# Altium PCB LimeSDR-QPCIe_1v2.PcbDoc (part 9 of 21) (continued)
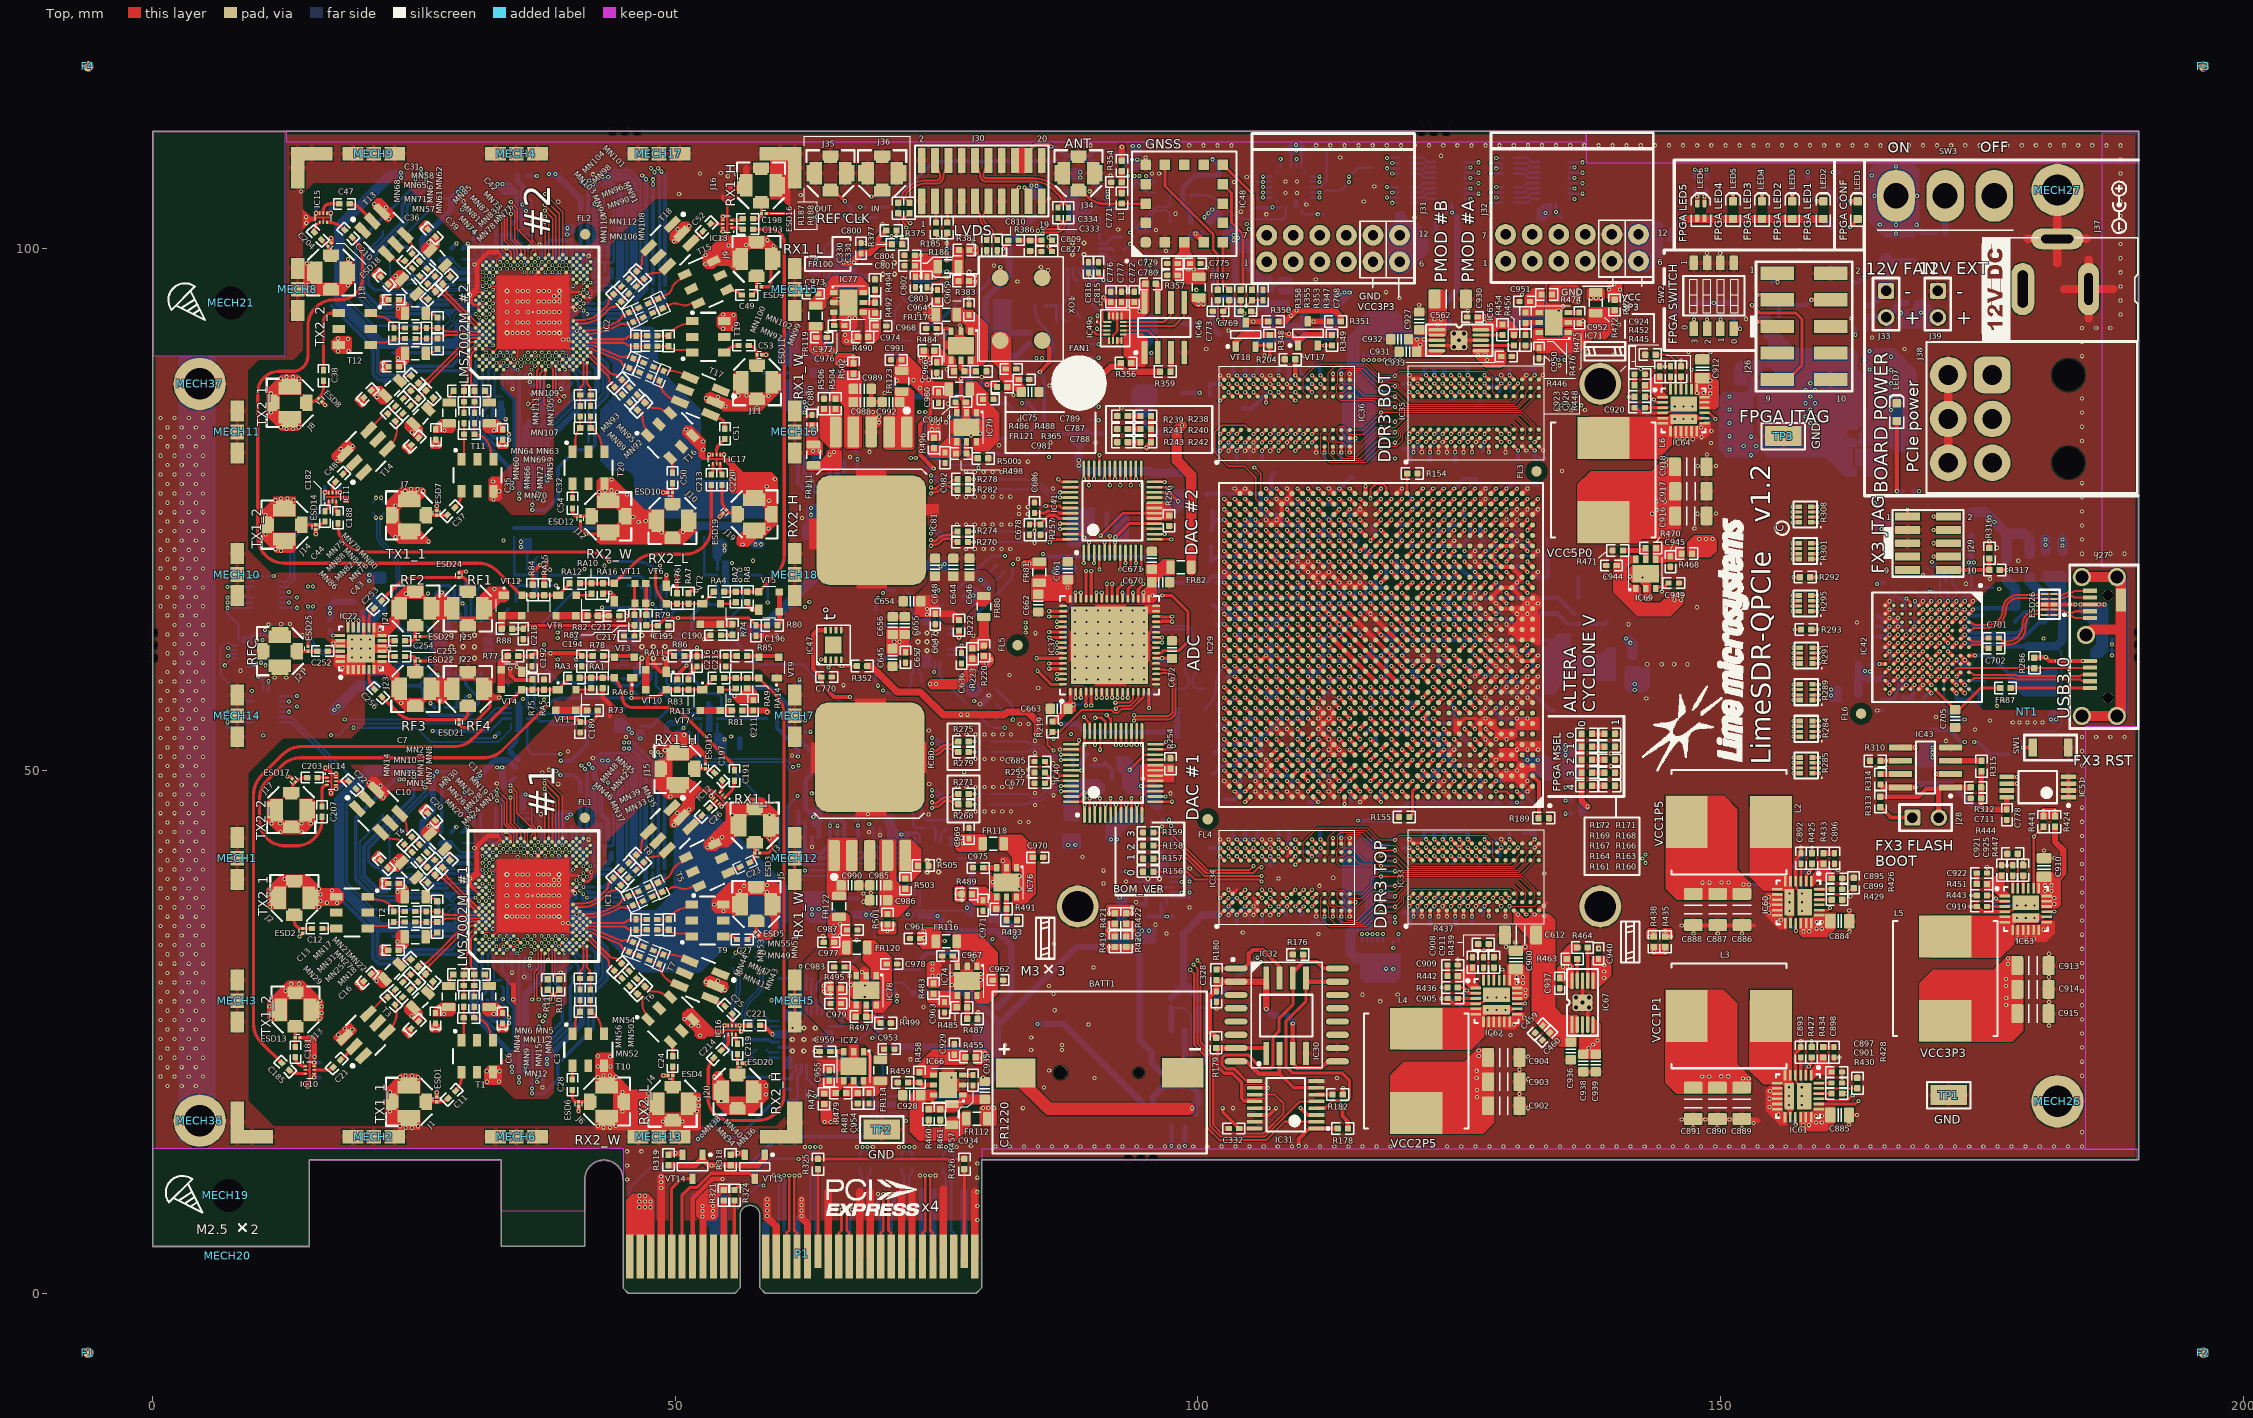
[diagram p0: Top view]
## Nets (pads, with @x,y where several pads share a name; then routed paths per layer and width w, separated by ;. In a path a pad name is that pad's centre, name@x,y a point inside that pad or via, vN(x,y) a via of type N, cw(c..) or ccw(c..) an arc to the next point about the centre after c; other vN are vias at no path point) (continued)
FPGA_AS_DCLK: IC29.T7 IC31.10 | length 63.8
  Top w0.35: IC31.10@105.45,19.65 v1(106.725,19.65)
  Top w0.4: v2(125.525,63) IC29.T7@126.025,62.5
  L10 w0.1: v1(106.725,19.65) 112.955,25.88 112.955,29.155 118.925,35.125 126.325,35.125 128.55,37.35 130.361,37.35 131.275,38.264 131.275,43.999 131.55,44.274 131.55,47.067 130.975,47.642 130.975,53.925 129.975,54.925 129.975,56.055 125.175,60.855 125.175,62.225 125.525,62.575 v2(125.525,63)
FPGA_AS_NCSO: IC29.AA7 IC31.13 | length 71.3
  Top w0.35: IC31.13@105.45,17.7 v1(106.775,17.7)
  Top w0.4: IC29.AA7@126.025,67.5 v2(126.525,68)
  L10 w0.1: v1(106.775,17.7) 107.45,18.375 107.45,20.092 113.155,25.797 113.155,29.072 119.008,34.925 126.408,34.925 127.208,35.725 128.042,35.725 128.992,36.675 129.969,36.675 131.475,38.181 131.475,43.916 131.75,44.191 131.75,47.15 131.175,47.725 131.175,52.266 132,53.091 132,56.02 126.9,61.12 126.9,66.125 126.075,66.95 126.075,67.55 v2(126.525,68)
FPGA_CONF_DONE: IC29.L8 IC42.F4 R175.2 VT13.G | length 111.5
  Top w0.4: IC29.L8@125.025,57.5 v2(125.525,57) ; IC42.F4@169.775,63.4 v2(170.175,63.8)
  L8 w0.1: v2(125.525,57) 125.525,56.495 134.895,47.125 v1(135.175,47.125) 157.946,47.125 164.25,53.429 164.25,57.053 166.647,59.45 168.72,59.45 168.975,59.705 168.975,60.025 169.15,60.2 169.525,60.2 169.75,60.425 169.75,63.07 170.175,63.495 v2(170.175,63.8) 169.892,63.8 169.442,64.25 169.23,64.25 169.025,64.455 169.025,64.745 169.33,65.05 169.52,65.05 169.725,65.255 169.725,66.725 169,67.45 169,73.325 163.288,79.037 163.288,104.712 v1(160.75,107.25) ; 126.175,55.855 126.655,55.375
  Bottom w0.4: v1(135.175,47.125) 135.18,47.13 R175.2@135.703,47.13 ; v1(160.75,107.25) VT13.G@161.425,107.25
FPGA_JTAG_TCK: IC29.AC7 J26.1 R170.1 | length 54.7
  Top w0.4: v2(125.525,70) IC29.AC7@126.025,69.5 ; v1(155.45,96.725) J26.1@155.45,97.586
  L8 w0.1: v2(125.525,70) 126.175,70.65 126.67,70.65 131.4,75.38 131.875,75.855 131.875,77.996 133.975,80.096 133.975,81.349 132.65,82.674 132.65,90.726 135.524,93.6 150.117,93.6 150.992,92.725 151.92,92.725 152.12,92.525 153.57,92.525 155.45,94.405 v1(155.45,96.725)
  Bottom w0.4: R170.1@154.9,96.725 v1(155.45,96.725)
FPGA_JTAG_TDI: IC29.U7 J26.9 R165.2 | length 68.4
  Top w0.3: v1(153,94.525) 153.75,93.775 157.225,93.775 157.8,93.2 157.8,88.775 156.439,87.414 J26.9@155.45,87.414
  Top w0.4: v2(125.525,64) IC29.U7@126.025,63.5
  L8 w0.1: v2(125.525,64) 125.525,64.505 124.925,65.105 124.925,70.188 125.175,70.438 125.175,71.145 125.275,71.245 130.875,76.845 130.875,77.562 133.575,80.262 133.575,81.183 131.025,83.733 131.025,89.667 135.358,94 152.475,94 v1(153,94.525)
  Bottom w0.4: v1(153,94.525) R165.2@153.5,94.525
FPGA_JTAG_TDO: IC29.W9 J26.3 | length 56.6
  Top w0.3: v1(153.475,95.525) J26.3@154.968,95.525
  Top w0.4: v2(123.525,66) IC29.W9@124.025,65.5
  L8 w0.1: v2(123.525,66) 124.013,66.488 124.013,69.993 124.975,70.955 124.975,71.228 126.13,72.383 126.13,73.1 133.375,80.345 133.375,81.1 130.825,83.65 130.825,86.225 130.25,86.8 130.25,87.25 130.825,87.825 130.825,89.75 135.275,94.2 151.75,94.2 153.075,95.525 v1(153.475,95.525)
FPGA_JTAG_TMS: IC29.V7 J26.5 R162.2 | length 56.9
  Top w0.4: v2(125.525,65) IC29.V7@126.025,64.5 ; v1(153.5,92.95) J26.5@155,92.95
  L8 w0.1: v2(125.525,65) 125.125,65.4 125.125,70.105 130.875,75.855 130.875,76.562 131.075,76.762 131.075,77.479 133.775,80.179 133.775,81.266 132.45,82.591 132.45,86.95 131.85,87.55 131.85,88.025 132.45,88.625 132.45,90.809 135.441,93.8 150.2,93.8 151.075,92.925 152.003,92.925 152.203,92.725 153.275,92.725 v1(153.5,92.95)
  Bottom w0.4: v1(153.5,92.95) 153.975,93.425 R162.2@154.6,93.425
FPGA_LED1: IC29.G28 R337.1 | length 103.2
  Top w0.4: v2(104.525,54) IC29.G28@105.025,53.5
  L12 w0.1: v2(104.525,54) 105.175,53.35 107.75,53.35 108.25,52.85 108.877,52.85 109.227,52.5 118.808,52.5 119.258,52.95 119.925,52.95 120.325,53.35 128.675,53.35 129.95,54.625 130.645,54.625 131.77,55.75 143.258,55.75 144,56.492 144,67.98 146.375,70.355 146.375,80.116 145.02,81.47 145.02,87.48 144.325,88.175 144.325,96.275 154.6,106.55 157.6,106.55 v1(158.35,107.3)
  Bottom w0.4: R337.1@158.35,106.725 v1(158.35,107.3)
FPGA_LED2: IC29.G27 R340.1 | length 100.6
  Top w0.4: v2(105.525,54) IC29.G27@106.025,53.5
  L12 w0.1: v2(105.525,54) 105.975,53.55 107.833,53.55 108.333,53.05 108.96,53.05 109.31,52.7 118.725,52.7 119.175,53.15 119.842,53.15 120.242,53.55 128.57,53.55 130.385,55.365 131.102,55.365 131.687,55.95 143.175,55.95 143.8,56.575 143.8,68.063 146.175,70.438 146.175,80.033 144.82,81.387 144.82,87.397 144.125,88.092 144.125,96.358 154.517,106.75 156.325,106.75 v1(156.875,107.3)
  Bottom w0.4: R340.1@156.875,106.725 v1(156.875,107.3)
FPGA_LED3: IC29.J27 R341.1 | length 99.5
  Top w0.4: v2(105.525,56) IC29.J27@106.025,55.5
  L12 w0.1: v2(105.525,56) 105.525,55.495 106.37,54.65 108.417,54.65 108.9,54.167 108.9,53.847 109.397,53.35 119.759,53.35 120.175,53.766 120.175,54.145 120.38,54.35 127.725,54.35 128.125,53.95 128.687,53.95 130.302,55.565 131.019,55.565 131.604,56.15 143.092,56.15 143.6,56.658 143.6,68.146 145.975,70.521 145.975,79.95 144.62,81.305 144.62,87.314 143.925,88.009 143.925,96.441 153.975,106.491 v1(153.975,107.3)
  Bottom w0.4: R341.1@153.975,106.725 v1(153.975,107.3)
FPGA_LED4: IC29.H24 R343.1 | length 94.7
  Top w0.4: v2(108.525,55) IC29.H24@109.025,54.5
  L12 w0.1: v2(108.525,55) 108.525,54.825 109.1,54.25 109.1,53.93 109.48,53.55 119.676,53.55 119.975,53.849 119.975,54.228 120.297,54.55 127.57,54.55 129.37,56.35 143.009,56.35 143.4,56.741 143.4,68.229 145.775,70.604 145.775,79.867 144.42,81.222 144.42,87.231 143.725,87.926 143.725,96.524 151.875,104.674 151.875,106.65 v1(151.2,107.325)
  Bottom w0.4: R343.1@151.2,106.75 v1(151.2,107.325)
FPGA_LED5_G: IC29.W29 R345.1 | length 87.7
  Top w0.4: v2(103.525,66) IC29.W29@104.025,65.5
  L12 w0.1: v2(103.525,66) 103,66.525 102.325,66.525 101.625,67.225 101.625,89.451 104.374,92.2 105.483,92.2 106,92.717 106,95.4 104.875,96.525 v1(104.875,101.8)
  L8 w0.1: v1(104.875,101.8) 105.675,102.6 119.675,102.6 126.075,109 146.075,109 v1(147.575,107.5)
  Bottom w0.4: R345.1@147.575,106.75 v1(147.575,107.5)
FPGA_LED5_R: IC29.T30 R346.1 | length 91.8
  Top w0.4: v2(102.525,63) IC29.T30@103.025,62.5
  L12 w0.1: v2(102.525,63) 101.425,64.1 101.425,89.534 104.291,92.4 105.4,92.4 105.8,92.8 105.8,95.317 104.675,96.442 104.675,101.505 104.525,101.655 104.525,102.125 v1@104.675,102.275
  L8 w0.1: v1(104.675,102.3) 105.092,102.3 105.592,102.8 119.592,102.8 125.992,109.2 146.975,109.2 v1(148.675,107.5)
  Bottom w0.4: R346.1@148.675,106.75 v1(148.675,107.5)
FPGA_NCONFIG: IC29.C5 IC42.G3 R177.2 | length 60
  Top w0.4: v2(127.525,50) IC29.C5@128.025,49.5 ; IC42.G3@168.975,64.2 v2(169.375,64.6)
  L8 w0.1: v2(127.525,50) 128.075,49.45 131.603,49.45 v1(135.175,45.878) 156.982,45.878 164.45,53.346 164.45,56.97 166.105,58.625 168.7,58.625 169,58.925 169,59.225 169.175,59.4 169.55,59.4 169.8,59.65 169.8,59.975 170.025,60.2 170.3,60.2 170.625,60.525 170.625,62.345 170.625,63.845 170.32,64.15 169.825,64.15 v2(169.375,64.6)
  Bottom w0.4: v1(135.175,45.878) 135.18,45.883 R177.2@135.703,45.883
FPGA_NSTATUS: IC29.K7 IC42.G2 R174.2 | length 61.2
  Top w0.4: IC29.K7@126.025,56.5 v2(126.525,56) ; IC42.G2@168.975,65 v2(169.375,65.4)
  L8 w0.1: v2(126.525,56) 127.02,56 131.695,51.325 131.875,51.145 131.875,50.428 133.931,48.372 v1(135.175,48.372) 136.18,47.367 157.905,47.367 164.05,53.511 164.05,57.136 166.6,59.686 166.6,59.95 166.9,60.25 168.72,60.25 169,60.53 169,64.197 168.825,64.372 168.825,64.85 v2(169.375,65.4)
  Bottom w0.4: v1(135.175,48.372) 135.18,48.377 R174.2@135.703,48.377
FPGA_SPI0_ADC_SS: IC29.E26 IC37.15 R219.1 | length 44.6
  Top w0.2: v1(86.175,51.925) 85.6,52.5 85.6,53.2 R219.1@86.1,53.7 86.8,53.7 88.9,55.8 91.7,55.8 91.975,55.525 92.35,55.525 92.725,55.9 93.656,55.9 94.8,57.044 IC37.15@94.8,57.55
  Top w0.4: IC29.E26@107.025,51.5 v2(107.525,52)
  L8 w0.1: v1(86.175,51.925) 86.175,51.25 87.875,49.55 87.875,47.1 88.65,46.325 89.425,46.325 89.675,46.575 89.675,46.87 92.53,49.725 95.8,49.725 100.425,54.35 106.725,54.35 106.875,54.2 106.875,52.65 v2(107.525,52)
FPGA_SPI0_ADF_SS: IC29.E25 R405.1 R407.1 | length 72.4
  Top w0.4: v2(107.525,51) IC29.E25@108.025,51.5
  L12 w0.1: v1(95.025,98.825) 93.75,98.825 87.85,92.925 87.85,80.725 84.8,77.675 84.8,71.995 89.51,67.285 89.51,66.94 90.75,65.7 95.016,65.7 101.925,58.791 101.925,50.975 102.4,50.5 107.025,50.5 v2(107.525,51)
  Bottom w0.254: R407.1@92.9,98.675 94.875,98.675 v1(95.025,98.825) 95.05,98.85 R405.1@95.05,99.35
  Bottom w0.4: v1(95.025,98.825) 95.025,99.29 cw(c95.11,99.29) R405.1@95.05,99.35
FPGA_SPI0_DAC_SS: IC29.G23 R399.1 R400.2 | length 60.8
  Top w0.4: v2(109.525,54) IC29.G23@110.025,53.5
  L4 w0.1: v1(79.025,78.975) 80.063,80.013 v1(85.762,80.013)
  L10 w0.1: v1(85.762,80.013) 86.925,78.85 96.775,78.85 100.45,75.175 100.45,74.375 102.175,72.65 103.663,72.65 103.963,72.35 105.67,72.35 109.025,68.995 109.025,67.995 110.37,66.65 111.809,66.65 112.175,66.284 112.175,65.855 112.38,65.65 112.709,65.65 113.175,65.184 113.175,62.155 111.2,60.18 111.2,59.195 110.975,58.97 110.975,55.945 110.15,55.12 110.15,54.625 v2(109.525,54)
  Bottom w0.2: R400.2@75.203,79.808 75.786,79.225 78.775,79.225 v1(79.025,78.975)
  Bottom w0.4: R399.1@74.128,80.058 74.953,80.058 R400.2@75.203,79.808
FPGA_SPI0_LMS1_SS: IC29.V29 R16.2 | length 90.9
  Top w0.4: v2(103.525,65) IC29.V29@104.025,64.5
  L10 w0.1: v1(29.837,47.966) 29.837,52.062 36.55,58.775 36.55,62.375 40.45,66.275 46.167,66.275 46.667,66.775 63.275,66.775 64.25,65.8 85.95,65.8 88.05,63.7 97.067,63.7 97.342,63.425 103.445,63.425 103.875,63.855 103.875,64.65 v2(103.525,65)
  Bottom w0.4: R16.2@29.587,47.116 29.837,47.366 v1(29.837,47.966)
FPGA_SPI0_LMS2_SS: IC29.U29 R36.2 | length 104.6
  Top w0.4: v2(103.525,64) IC29.U29@104.025,63.5
  L10 w0.1: v1(29.613,103.678) 31.521,101.771 31.521,98.354 32.202,97.673 32.777,97.673 33.375,97.075 40.466,97.075 44.466,101.075 53,101.075 62.9,91.175 64.742,91.175 65.975,89.942 65.975,77.6 77.375,66.2 86.241,66.2 87.641,64.8 96.25,64.8 97.425,63.625 103.15,63.625 v2(103.525,64)
  Bottom w0.4: R36.2@29.613,102.953 v1(29.613,103.678)
FPGA_SPI0_MISO_ADC: IC29.L20 IC37.64 | length 38
  Top w0.3: v1(84.65,59.55) 85.95,58.25 IC37.64@87.1,58.25
  Top w0.4: v1(112.525,58) IC29.L20@113.025,57.5
  L6 w0.1: v1(84.65,59.55) 86.3,57.9 86.3,56.175 87.85,54.625 v1(87.85,53.5)
  L8 w0.1: v1@87.875,53.45 88.075,53.65 91.906,53.65 92.681,54.425 93.975,54.425 94.275,54.725 94.275,55.45 95.15,56.325 99.6,56.325 100.725,57.45 111.975,57.45 v1(112.525,58)
FPGA_SPI0_MISO_LMS1: IC29.R30 R15.2 | length 95.8
  Top w0.4: v2(102.525,62) IC29.R30@103.025,61.5
  L10 w0.1: v1(35.425,56.85) 35.425,57.367 36.75,58.692 36.75,62.292 40.533,66.075 46.25,66.075 46.75,66.575 63.175,66.575 68.875,60.875 77.9,60.875 79.025,59.75 84.275,59.75 85.25,60.725 87.3,60.725 87.925,61.35 100.558,61.35 101.208,62 v2(102.525,62)
  L8 w0.1: v1@30.194,44.579 v1(30.124,44.579) 29.696,44.15 28.875,44.15 28.6,44.425 28.6,47.8 32.55,51.75 32.55,52.225 35.425,55.1 v1(35.425,56.85)
  Bottom w0.4: R15.2@29.637,44.091 v1(30.124,44.579)
FPGA_SPI0_MISO_LMS2: IC29.V30 R34.2 | length 102.8
  Top w0.4: v2(102.525,65) IC29.V30@103.025,64.5
  L10 w0.1: v1(30.151,100.416) 28.925,101.642 28.925,104.475 29.4,104.95 29.745,104.95 32.918,101.777 32.918,97.815 33.458,97.275 40.383,97.275 44.383,101.275 53.083,101.275 62.983,91.375 64.825,91.375 66.175,90.025 66.175,89.65 66.625,89.2 66.625,88.55 73.775,81.4 78.855,81.4 81.65,78.605 81.65,78.175 85.1,74.725 90.392,74.725 95.492,69.625 97.5,69.625 101.9,65.225 102.3,65.225 v2(102.525,65)
  Bottom w0.4: R34.2@29.663,99.928 v1(30.151,100.416)
FPGA_SPI0_MOSI: IC29.R26 IC37.14 R13.2 R33.2 R403.1 R404.2 | length 258.8
  Top w0.2: v1(92.15,55.925) 92.425,56.2 93.532,56.2 94.3,56.968 IC37.14@94.3,57.55
  Top w0.4: v2(106.525,62) IC29.R26@107.025,61.5
  L3 w0.1: v1(62.825,66.125) 63.075,66.375 63.075,73.4 75.075,85.4 75.675,85.4 76.79,86.515 77.44,86.515 78.73,87.805 78.73,88.33 88.95,98.55 91.675,98.55 v1(93.525,100.4)
  L10 w0.1: v1(30.737,45.616) 29.209,45.616 27.475,47.35 27.475,49.417 27.7,49.642 27.7,50.245 26.92,51.025 9.592,51.025 6.55,54.067 6.55,84.117 14.325,91.892 14.325,104.267 16.583,106.525 22.95,106.525 28.7,100.775 28.7,100.025 28.95,99.775 30.005,99.775 30.501,100.271 30.501,101.191 v1(30.763,101.453) ; v1(62.825,66.125) 62.38,66.125 62.05,65.795 62.05,65.5 67.35,60.2 77.667,60.2 80.667,57.2 86.7,57.2 87.975,55.925 v1(92.15,55.925) 92.525,56.3 93.575,56.3 94.85,57.575 98.383,57.575 102.208,61.4 105.925,61.4 v2(106.525,62)
  L8 w0.1: v1(30.737,45.616) 31.55,46.429 31.55,48.308 32.275,49.033 32.275,50.408 35.967,54.1 39.5,54.1 45.325,59.925 50.125,59.925 50.575,60.375 56.6,60.375 61.425,65.2 62.446,65.2 62.825,65.579 v1(62.825,66.125)
  Bottom w0.2: v1(73.925,84.325) 73.925,82.475 74.392,82.008 R404.2@75.203,82.008
  Bottom w0.254: R403.1@92.9,99.775 v1(93.525,100.4)
  Bottom w0.4: R13.2@30.737,44.891 v1(30.737,45.616) ; R33.2@30.763,100.728 v1(30.763,101.453)
FPGA_SPI0_SCLK: IC29.T25 IC37.13 R12.2 R32.2 R401.1 R402.2 | length 257.2
  Top w0.2: v1(92.1,56.5) 93.408,56.5 93.8,56.892 IC37.13@93.8,57.55
  Top w0.4: v2(107.525,63) IC29.T25@108.025,62.5
  L3 w0.1: v1(62.4,65.65) 62.4,66.2 62.875,66.675 62.875,73.483 73.347,83.955 v1(73.347,84.3) 74.647,85.6 75.592,85.6 76.707,86.715 77.357,86.715 78.53,87.888 78.53,88.413 88.867,98.75 90.775,98.75 v1(93.525,101.5)
  L10 w0.1: v1(29.049,44.604) 29.049,45.493 27.275,47.267 27.275,49.5 27.5,49.725 27.5,50.162 26.837,50.825 9.5,50.825 6.35,53.975 6.35,84.2 14.125,91.975 14.125,104.35 16.5,106.725 23.075,106.725 29.076,100.724 v1(29.076,100.441) ; v1(62.4,65.65) 62.4,65.433 67.433,60.4 77.75,60.4 80.75,57.4 86.783,57.4 87.558,56.625 89.4,56.625 89.525,56.5 v1(92.1,56.5) 93.492,56.5 94.767,57.775 98.3,57.775 102.125,61.6 103.65,61.6 104.675,62.625 107.15,62.625 v2(107.525,63)
  L8 w0.1: v1(29.049,44.604) 29.049,46.09 32.075,49.116 32.075,50.491 35.767,54.183 35.884,54.3 39.417,54.3 46.292,61.175 57.117,61.175 61.342,65.4 62.15,65.4 v1(62.4,65.65)
  Bottom w0.2: v1(73.347,84.3) 73.625,84.022 73.625,82.351 75.068,80.908 R402.2@75.203,80.908
  Bottom w0.3: v1(93.525,101.5) 93.775,101.25 R401.1@93.775,101.025
  Bottom w0.4: R12.2@28.537,44.091 v1(29.049,44.604) ; R32.2@28.563,99.928 v1(29.076,100.441)
FPGA_SPI1_FLASH_SS: IC46.1 IC49.9 R356.1
FPGA_SPI1_FLASH_SS_LS: IC29.AB13 IC49.4 | length 54.5
  Top w0.2: v1(89.7,93.25) 89.7,92.325 90.3,91.725 IC49.4@91.315,91.725
  Top w0.4: v2(119.525,69) IC29.AB13@120.025,68.5
  L10 w0.1: v1(89.7,93.25) 89.7,91.95 88.95,91.2 88.95,90.08 103.38,75.65 109.37,75.65 111.175,73.845 111.175,68.845 113.57,66.45 118.47,66.45 120.875,68.855 120.875,69.145 120.67,69.35 119.875,69.35 v2(119.525,69)
FPGA_SPI1_MISO: IC46.2 IC49.10 | length 4.9
  Top w0.2: IC49.10@92.865,92.125 95.215,92.125 96.155,91.185 IC46.2@96.155,90
FPGA_SPI1_MISO_LS: IC29.AB12 IC49.3 | length 49.7
  Top w0.2: v1@90.375,92.275 90.525,92.125 IC49.3@91.315,92.125
  Top w0.4: v2(120.525,69) IC29.AB12@121.025,68.5
  L10 w0.1: v1(90.35,92.275) 89.15,91.075 89.15,90.163 102.963,76.35 109.67,76.35 111.975,74.045 111.975,68.772 112.397,68.35 112.67,68.35 112.875,68.145 112.875,67.872 113.297,67.45 113.575,67.45 114.375,66.65 117.67,66.65 119.395,68.375 119.9,68.375 v2(120.525,69)
FPGA_SPI1_MOSI: IC46.5 IC49.11 | length 7.5
  Top w0.2: IC49.11@92.865,92.525 97.715,92.525 98.695,93.505 IC46.5@98.695,94.8
FPGA_SPI1_MOSI_LS: IC29.AG12 IC49.2 | length 49.7
  Top w0.2: v1(90.4,93.525) 90.4,92.975 90.85,92.525 IC49.2@91.315,92.525
  Top w0.4: IC29.AG12@121.025,73.5 v2(121.525,74)
  L10 w0.1: v1(90.4,93.525) 91.417,93.525 91.717,93.825 93.5,93.825 93.925,94.25 94.617,94.25 95.042,93.825 100.595,93.825 106.5,87.92 106.5,86.8 106.075,86.375 106.075,82.8 106.475,82.4 106.475,80.425 106.675,80.225 107.267,80.225 108.167,79.325 112.978,79.325 116.075,76.228 116.075,75.8 116.525,75.35 116.525,73.505 117.38,72.65 120.67,72.65 120.875,72.855 120.875,73.35 v2(121.525,74)
FPGA_SPI1_SCLK: IC46.6 IC49.12 | length 6
  Top w0.2: IC49.12@92.865,92.925 96.765,92.925 97.425,93.585 IC46.6@97.425,94.8
FPGA_SPI1_SCLK_LS: IC29.AF13 IC49.1 | length 48
  Top w0.2: v1(90.675,94.7) 90.875,94.5 90.875,93.05 91,92.925 IC49.1@91.365,92.925
  Top w0.4: IC29.AF13@120.025,72.5 v2(120.525,73)
  L10 w0.1: v1(90.675,94.7) 94.45,94.7 95.125,94.025 101.517,94.025 107.275,88.267 107.275,80.5 108.25,79.525 113.061,79.525 115.786,76.8 116.825,76.8 117.025,76.6 117.025,73.825 117.475,73.375 119.725,73.375 120.1,73 v2(120.525,73)
FPGA_SPI2_LMS1_RX1_I_MISO: IC18.8 IC29.J7 | length 95.6
  Top w0.4: v1(125.525,56) IC29.J7@126.025,55.5
  L10 w0.1: v1(67.55,15.65) 93.825,15.65 113.5,35.325 117.25,35.325 118.45,36.525 125.2,36.525 125.45,36.775 125.45,38.05 128.2,40.8 128.2,44.3 130.125,46.225 130.125,52.275 130.775,52.925 130.775,53.842 130.192,54.425 127.1,54.425 v1(125.525,56)
  Bottom w0.2: v1(67.55,15.65) 68.199,15.65 69.365,16.816 IC18.8@69.365,17.303
FPGA_SPI2_LMS1_RX1_I_SCLK: IC18.9 IC21.1 | length 57.1
  L6 w0.1: v1(67.15,16.15) 65.5,14.5 65.5,13.525 62.5,10.525 59.125,10.525 58.2,11.45 53.125,11.45 52.775,11.8 52.775,12.825 53.925,13.975 56.325,13.975 61.075,18.725 61.075,19.575 72.25,30.75 v1(72.25,36.225)
  Bottom w0.2: v1(67.15,16.15) 68.275,16.15 68.865,16.74 IC18.9@68.865,17.303
  Bottom w0.25: v1(72.25,36.225) IC21.1@72.25,39.1
FPGA_SPI2_LMS1_RX1_Q_MISO: IC20.8 IC29.A3 | length 90
  Top w0.2: v2(128.525,48) 129.525,48 IC29.A3@130.025,47.5
  L10 w0.1: v1(66.825,24.15) 67.375,24.15 69.05,25.825 75.75,25.825 78.925,29 101.633,29 103.275,30.642 103.275,32.825 104.9,34.45 104.9,43.87 110.575,49.545 113.57,49.545 114.675,50.65 117.675,50.65 118.625,51.6 127.475,51.6 128.125,50.95 128.125,48.4 v2(128.525,48)
  Bottom w0.2: v1(66.825,24.15) 67.549,24.15 69.175,25.776 69.175,27.45 69.375,27.65 IC20.8@69.375,28.15
FPGA_SPI2_LMS1_RX1_Q_SCLK: IC20.9 IC21.3 | length 17.9
  Bottom w0.2: IC20.9@68.875,28.15 68.875,27.775 68.625,27.525 67.763,27.525 65.875,29.413 65.875,30.625 69.05,33.8 69.05,35.4 70.85,37.2 70.85,39.25 71.7,40.1 IC21.3@72.25,40.1
FPGA_SPI2_LMS2_RX1_I_MISO: IC23.8 IC29.H15 | length 153.3
  Top w0.4: v2(117.525,55) IC29.H15@118.025,54.5
  L10 w0.1: v1(17.05,53.4) 18.825,51.625 27.169,51.625 28.687,50.107 28.687,47.49 29.36,46.816 31.478,46.816 33.444,44.85 39.725,44.85 40.75,45.875 46.325,45.875 49.15,48.7 69.066,48.7 88.166,29.6 100,29.6 101.525,31.125 101.525,45.212 103.969,47.656 104.656,47.656 105.45,48.45 105.833,48.45 106.008,48.625 106.675,48.625 108.612,50.562 109.73,50.562 109.925,50.758 109.925,51.158 110.317,51.55 110.65,51.55 111.5,52.4 115.708,52.4 116.125,52.817 116.125,53.125 116.975,53.975 116.975,54.409 117.525,54.959 v2(117.525,55)
  Bottom w0.2: v1(17.05,53.4) 17.725,53.4 18.825,54.5 31.824,54.5 32.809,55.485 IC23.8@34.272,55.485
FPGA_SPI2_LMS2_RX1_I_SCLK: IC21.8 IC23.9 | length 81.5
  L6 w0.1: v1(18.375,54.875) 22.326,54.875 22.801,54.4 27.274,54.4 29.349,56.475 32.05,56.475 33,57.425 44.242,57.425 45.267,56.4 47.375,56.4 51.395,52.38 51.395,48.045 53.291,46.15 54.659,46.15 55.009,46.5 66.95,46.5 v1(68.55,44.9)
  Bottom w0.2: v1(18.375,54.875) 31.775,54.875 32.885,55.985 IC23.9@34.272,55.985
  Bottom w0.25: v1(68.55,44.9) 68.975,44.475 68.975,43 69.375,42.6 IC21.8@72.25,42.6
FPGA_SPI2_LMS2_RX1_Q_MISO: IC25.8 IC29.G9 | length 189.2
  Top w0.4: v2(123.525,54) IC29.G9@124.025,53.5
  L10 w0.1: v1(38.018,68.218) 36.825,67.025 29.375,67.025 28.5,66.15 18.75,66.15 15.9,63.3 13.325,63.3 11.575,61.55 10.3,61.55 9.3,60.55 9.3,60 9.625,59.675 11.325,59.675 11.775,60.125 12.6,60.125 15.8,56.925 15.8,55.058 16.7,54.158 16.7,53.255 18.53,51.425 27.086,51.425 28.487,50.024 28.487,47.407 29.277,46.616 31.395,46.616 33.361,44.65 34.558,44.65 35.283,43.925 39.675,43.925 40.75,45 45.733,45 49.233,48.5 68.983,48.5 88.083,29.4 100.083,29.4 101.725,31.042 101.725,43.705 106.37,48.35 107.325,48.35 107.825,48.85 107.825,49.175 108.325,49.675 108.725,49.675 109.413,50.363 109.813,50.363 110.125,50.675 110.125,51.075 110.4,51.35 111.039,51.35 111.239,51.55 115.57,51.55 115.975,51.955 115.975,52.228 116.322,52.575 118.792,52.575 119.2,52.983 119.2,54.175 120.425,55.4 123.625,55.4 123.875,55.15 123.875,54.35 v2(123.525,54)
  Bottom w0.25: IC25.8@37.382,68.218 v1(38.018,68.218)
FPGA_SPI2_LMS2_RX1_Q_SCLK: IC21.7 IC25.9 | length 103.8
  L4 w0.1: v1(38.575,67.718) 34.182,67.718 33.875,68.025 29.05,68.025 28.55,67.525 17.875,67.525 15.712,65.362 15.712,60.813 19.05,57.475 37.925,57.475 39.075,56.325 52.05,56.325 54.05,54.325 59.975,54.325 63.45,50.85 63.45,49.325 v1(61.7,47.575)
  Bottom w0.25: IC25.9@37.457,67.718 v1(38.575,67.718) ; v1(61.7,47.575) 60.75,46.625 60.75,42.325 62.05,41.025 65.25,41.025 66.425,42.2 71.15,42.2 71.25,42.1 IC21.7@72.25,42.1
FPGA_SPI2_LMS2_RX2_I_MISO: IC26.8 IC29.C27 | length 88.7
  Top w0.4: v2(105.525,50) IC29.C27@106.025,49.5
  L10 w0.1: v1(61.8,50.5) 62.2,50.5 63.6,49.1 69.231,49.1 88.331,30 99.829,30 101.125,31.296 101.125,45.378 103.075,47.328 103.075,48.055 103.395,48.375 103.9,48.375 v2(105.525,50)
  Bottom w0.2: IC26.8@52.472,55.485 51.381,55.485 50.321,54.425 49.508,54.425 49.325,54.242 49.325,53.308 49.608,53.025 50.666,53.025 52.866,50.825 60.234,50.825 61.109,49.95 61.441,49.95 61.474,49.95 61.8,50.276 v1(61.8,50.5)
FPGA_SPI2_LMS2_RX2_I_SCLK: IC21.5 IC26.9 | length 36.5
  Bottom w0.2: IC26.9@52.472,55.985 51.457,55.985 50.197,54.725 49.384,54.725 49.025,54.366 49.025,53.184 49.484,52.725 50.542,52.725 52.742,50.525 55,50.525 59.95,45.575 59.95,42.125 62.15,39.925 65.5,39.925 66.675,41.1 IC21.5@72.25,41.1
FPGA_SPI2_LMS2_RX2_Q_MISO: IC28.8 IC29.F6 | length 213.4
  Top w0.4: v2(126.525,53) IC29.F6@127.025,52.5
  L10 w0.1: v1(56.218,68.218) 56.9,68.9 56.9,69.6 55.925,70.575 21.125,70.575 15.075,64.525 11.125,64.525 8.875,62.275 8.875,59.525 10.7,57.7 14,57.7 15.6,56.1 15.6,54.975 16.5,54.075 16.5,53.172 18.447,51.225 27.003,51.225 28.275,49.953 28.275,47.336 29.195,46.416 31.259,46.416 33.225,44.45 34.475,44.45 35.2,43.725 39.758,43.725 40.833,44.8 45.825,44.8 49.325,48.3 68.9,48.3 88,29.2 101.55,29.2 103.075,30.725 103.075,34.175 103.375,34.475 103.375,43.825 103.76,44.21 104.181,44.21 111.321,51.35 115.653,51.35 116.175,51.872 116.175,52.145 116.405,52.375 118.875,52.375 120.025,53.525 120.025,54.142 120.333,54.45 122.58,54.45 123.455,53.575 124.75,53.575 125.325,53 v2(126.525,53)
  Bottom w0.25: IC28.8@55.582,68.218 v1(56.218,68.218)
FPGA_SPI2_LMS2_RX2_Q_SCLK: IC21.17 IC28.9 | length 41.3
  Bottom w0.25: IC28.9@55.582,67.718 56.107,67.718 56.45,67.375 56.45,65.775 55.45,64.775 55.45,62.675 58,60.125 62.275,60.125 73.525,48.875 73.525,45.7 73.95,45.275 77.65,45.275 78.25,44.675 78.25,43.05 77.8,42.6 IC21.17@77.05,42.6
FPGA_SPI2_LMS_RX_DET_SS: IC18.6 IC20.6 IC23.6 IC25.6 IC26.6 IC28.6 IC29.AJ17 | length 260.5
  Top w0.4: v2(115.525,76) IC29.AJ17@116.025,75.5
  L3 w0.1: v1(61.275,50.35) 61.275,50.6 61.575,50.9 62.3,50.9 68.05,45.15 68.05,39 66.975,37.925 66.975,33.375 70,30.35 70,29.15 v1(71.225,27.925)
  L6 w0.1: v1(56.218,69.218) 55.9,69.536 55.9,71.75 59.775,75.625 63.325,75.625 64,76.3 64,78.175 62.7,79.475 62.7,81.775 65.9,84.975 74.425,84.975 75,84.4 78.325,84.4 82.525,80.2 82.525,79.325 83.125,78.725 83.125,76.675 84.5,75.3 84.5,73.7 84.8,73.4 84.8,71.95 85.65,71.1 94.975,71.1 96.875,69.2 100.475,69.2 102.275,67.4 104.725,67.4 105.125,67.8 105.125,68.095 105.42,68.39 115.915,68.39 117.1,69.575 117.1,72.7 116.15,73.65 116.15,75.375 v2(115.525,76)
  L4 w0.1: v1(19.2,54.1) 25.65,54.1 26.675,55.125 37.575,55.125 38.025,55.575 47.775,55.575 51.95,51.4 60.225,51.4 v1(61.275,50.35) ; v1(71.225,27.925) 71.575,27.575 71.575,16.975 v1(72.075,16.475)
  L10 w0.1: v1(19.2,54.1) 18.625,54.1 18,54.725 18,55.367 29.458,66.825 37.187,66.825 38.475,68.113 38.475,68.761 ; v1(38.018,69.218) 38.475,68.761 ; v1(56.218,69.218) 55.35,68.35 39.8,68.35 39.389,68.761 38.475,68.761
  Bottom w0.2: v1(19.2,54.1) 25.225,54.1 26.575,52.75 33.1,52.75 34.272,53.922 IC23.6@34.272,54.485 ; IC26.6@52.472,54.485 52.472,53.922 52.175,53.625 52.175,52 53.05,51.125 60.5,51.125 v1(61.275,50.35) ; IC18.6@70.365,17.303 71.247,17.303 v1(72.075,16.475) ; IC20.6@70.375,28.15 70.375,27.925 v1(71.225,27.925)
  Bottom w0.25: IC25.6@37.382,69.218 v1(38.018,69.218) ; IC28.6@55.582,69.218 v1(56.218,69.218)
FPGA_SPI2_SCLK: C249.2 IC9.9 | length 77.8
  L6 w0.1: v1(6.9,60.075) 8.975,58 20.333,58 23.133,55.2 26.942,55.2 29.967,58.225 49.608,58.225 51.608,56.225 59.175,56.225 63.05,52.35 v1(63.05,47.825)
  Bottom w0.2: v1@6.95,60.075 7.625,60.75 IC9.9@8.025,60.75
  Bottom w0.3: v1(63.05,47.825) 71.85,47.825 C249.2@72.775,46.9
FPGA_SPI2_SCLK_LS: IC9.4 IC29.AK15 | length 172.3
  Top w0.2: v1(116.525,76.05) 116.525,76.95 117,77.425 117.725,77.425 118.025,77.125 IC29.AK15@118.025,76.5
  L6 w0.1: v1(10.35,60.325) 10.65,60.625 13.95,60.625 16.675,63.35 20.825,63.35 22.2,64.725 22.725,64.725 30.25,72.25 30.25,91.05 31.35,92.15 32.95,92.15 33.75,91.35 36.7,91.35 37.175,90.875 39.675,90.875 55.775,74.775 58.642,74.775 59.692,75.825 63.242,75.825 63.8,76.383 63.8,78.092 62.5,79.392 62.5,81.858 65.817,85.175 74.508,85.175 75.083,84.6 78.408,84.6 83.325,79.683 83.325,76.758 84.7,75.383 84.7,73.783 85,73.483 85,72.033 85.733,71.3 95.058,71.3 96.958,69.4 100.558,69.4 102.358,67.6 104.642,67.6 104.925,67.883 104.925,68.178 105.337,68.59 115.832,68.59 116.9,69.658 116.9,72.617 115.95,73.567 115.95,75.08 115.175,75.855 115.175,76.2 115.325,76.35 116.225,76.35 v1(116.525,76.05)
  Bottom w0.2: IC9.4@9.575,60.75 10.075,60.75 10.35,60.475 v1(10.35,60.325)
FPGA_SW0: IC29.H7 R334.2 SW2.8 | length 84.6
  Top w0.4: IC29.H7@126.025,54.5 v2(126.525,54) ; SW2.8@151.265,92.275 v1(151.875,92.275)
  L8 w0.1: v2(126.525,54) 125.175,55.35 125.175,57.2 125.375,57.4 126.62,57.4 126.875,57.145 126.875,56.775 127.3,56.35 127.67,56.35 127.7,56.32 135.062,48.958 135.392,48.958 136.75,47.6 149.925,47.6 155.75,53.425 155.75,87.703 151.875,91.578 v1(151.875,92.275)
  Bottom w0.4: R334.2@151.265,93.75 151.265,92.885 v1(151.875,92.275)
FPGA_SW1: IC29.A2 R333.2 SW2.7 | length 94.8
  Top w0.4: v2(130.525,48) IC29.A2@131.025,47.5 ; SW2.7@149.995,92.275 v1(149.995,93.175)
  L8 w0.1: v2(130.525,48) 129.995,48.53 128.5,48.53 127.175,49.855 127.175,51 127.175,51.145 127.875,51.845 127.875,52.145 124.975,55.045 124.975,57.283 125.292,57.6 126.703,57.6 127.075,57.228 127.075,56.858 127.383,56.55 127.753,56.55 127.983,56.32 128.7,56.32 133.139,51.881 133.139,51.494 136.833,47.8 149.842,47.8 155.55,53.508 155.55,87.62 v1(149.995,93.175)
  Bottom w0.4: v1(149.995,93.175) R333.2@149.995,93.75
FPGA_SW2: IC29.E6 R332.2 SW2.6 | length 91.4
  Top w0.4: IC29.E6@127.025,51.5 v2(127.525,52) ; SW2.6@148.725,92.275 v1(148.725,93.175)
  L8 w0.1: v2(127.525,52) 126.875,52.65 126.37,52.65 125.175,53.845 125.175,54.562 124.175,55.562 124.175,58.145 124.38,58.35 125.775,58.35 126.275,57.85 126.75,57.85 127.25,57.35 128.125,57.35 128.675,56.8 129.22,56.8 133.339,52.681 133.339,51.577 136.916,48 149.759,48 155.35,53.591 155.35,87.537 150.062,92.825 149.075,92.825 v1(148.725,93.175)
  Bottom w0.4: v1(148.725,93.175) R332.2@148.725,93.75
FPGA_SW3: IC29.F8 R331.2 SW2.5 | length 92.1
  Top w0.4: v2(124.525,53) IC29.F8@125.025,52.5 ; SW2.5@147.46,92.275 v1(147.46,93.175)
  L8 w0.1: v2(124.525,53) 124.875,53.35 124.875,54.579 123.975,55.479 123.975,58.275 124.3,58.6 125.808,58.6 126.358,58.05 126.833,58.05 127.333,57.55 128.208,57.55 128.758,57 129.303,57 129.903,56.4 130.62,56.4 133.704,53.316 137.084,53.316 137.725,52.675 137.725,48.647 138.172,48.2 138.25,48.2 149.676,48.2 155.15,53.674 155.15,87.454 149.979,92.625 148.75,92.625 148.2,93.175 v1(147.46,93.175)
  Bottom w0.4: v1(147.46,93.175) R331.2@147.46,93.75